# Altium PCB Phaser.PcbDoc (part 1 of 4)
Units mm, origin at the board's own origin, x right, y up, seen from the top; angles counter-clockwise.
Board outline 161.99 x 100 mm, 6 copper layers (L1, L2, L3, L4, P5, L6), stack 1.648 mm thick; 797 components, 586 nets, 3005 pads, 2 vias.
Unrouted connection lines stored in the file: 1433.
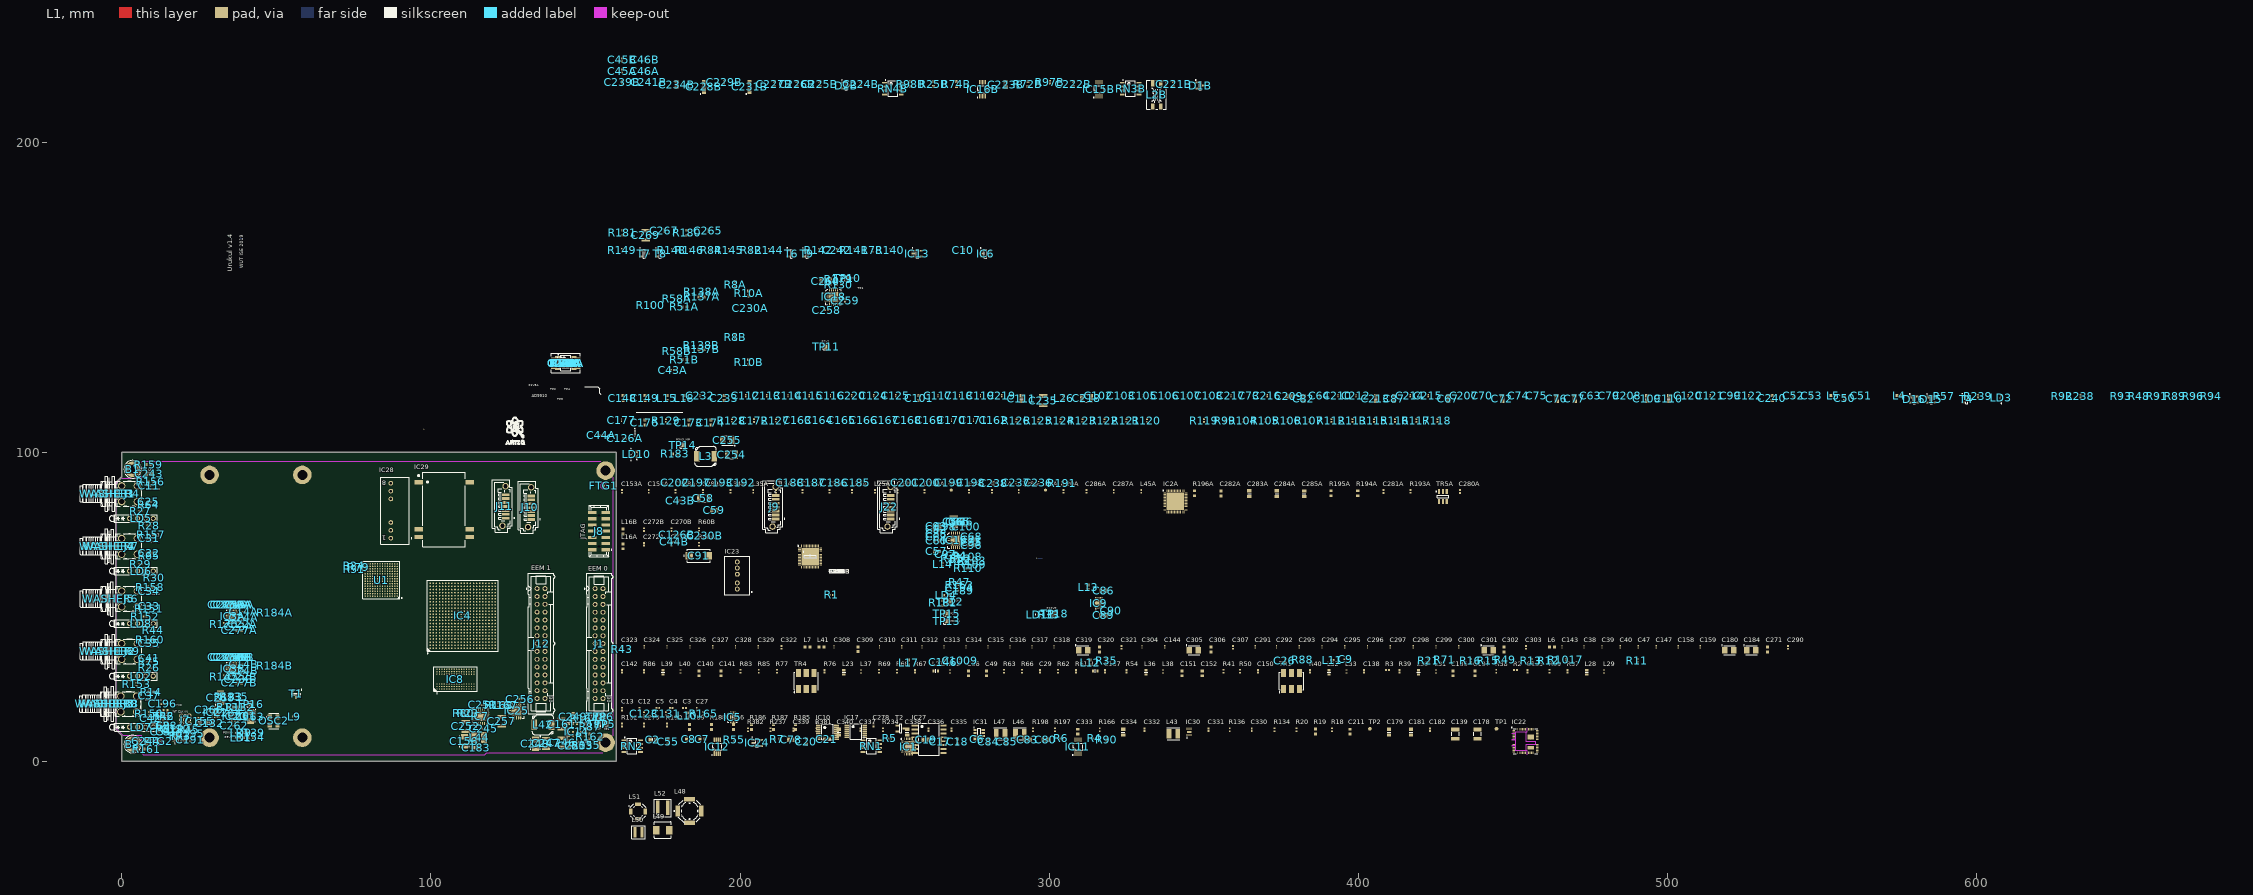
[diagram p0: L1 view]
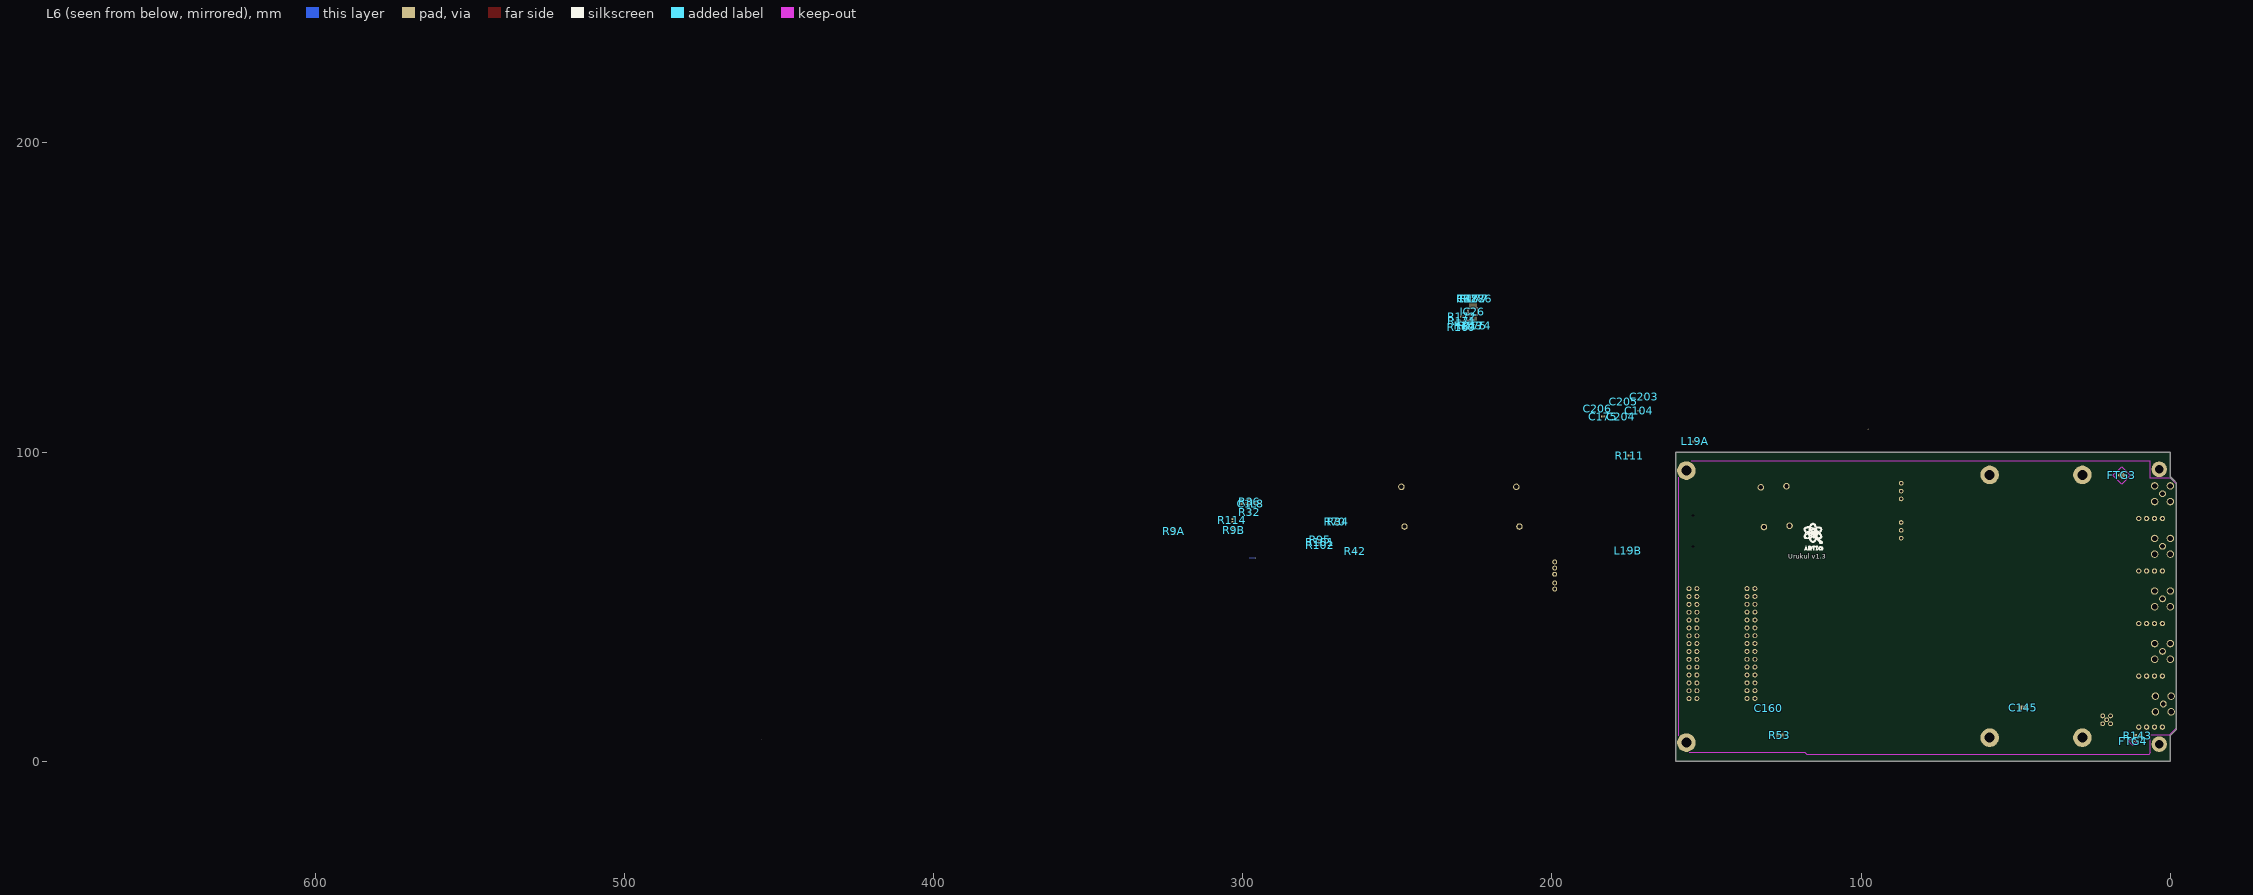
[diagram p1: L6 view, seen from below]
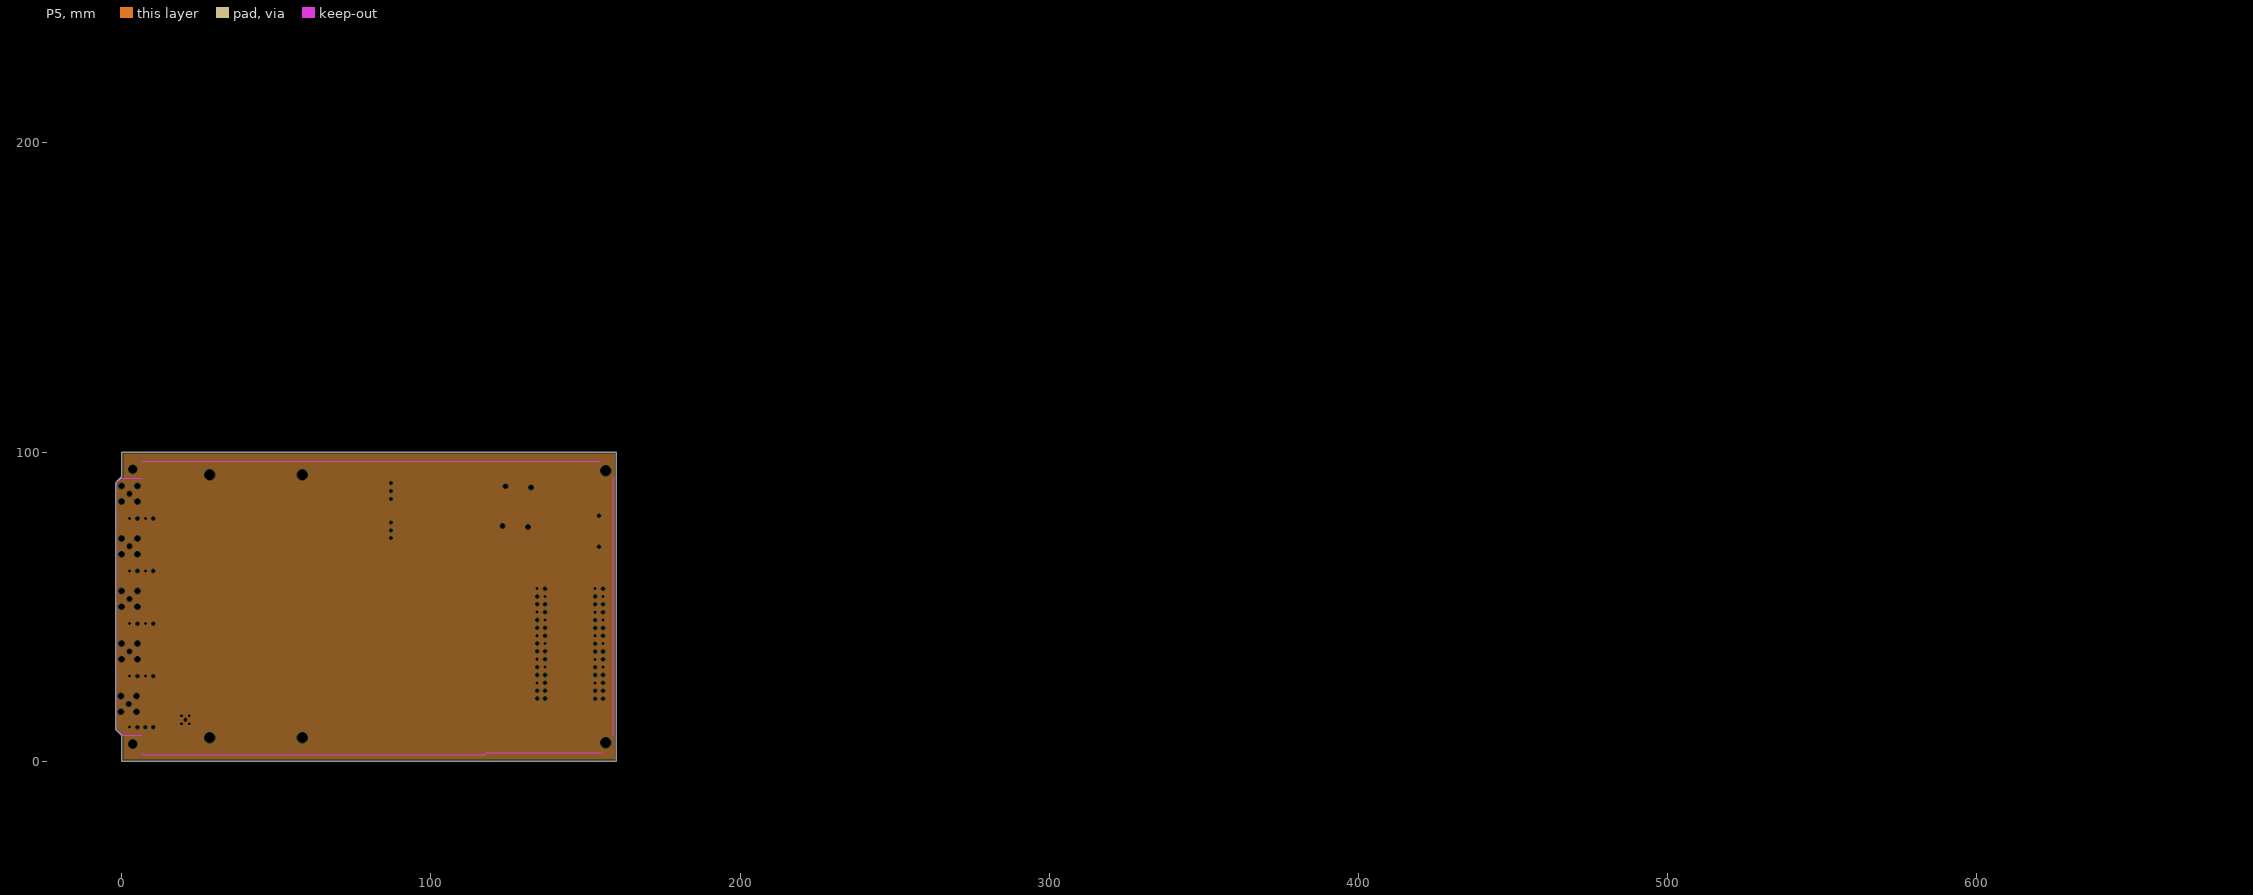
[diagram p2: P5, clearances drawn from the general rule]

## Layer stack, top to bottom
Top Solder: solder mask 0.034, Solder Resist, Dk 3.5
L1: signal copper 0.058
Dielectric1: core 0.18, FR4, Dk 3.66
L2: signal copper 0.018
Dielectric 9: prepreg 0.46, FR4, Dk 4.2
L3: signal copper 0.018
Dielectric 8: prepreg 0.18, Dk 4.2
L4: signal copper 0.018
Dielectric4: core 0.46, FR4, Dk 4.2
P5: plane copper 0.018, net GND
Dielectric3: core 0.18, FR4, Dk 4.2
L6: signal copper 0.058
Bottom Solder: solder mask 0.034, Solder Resist, Dk 3.5

## Board outline
-2,10.32 -2,83.025 -2,90 -1,91 0,92 0,100 159.995,100 159.995,0 0,0 0,8.32

## Design rules (kind name [scope] priority, off if disabled: settings)
AcuteAngle AcuteAngle_GND [InNet('GND')] p1: minimum=5.00000000000000E+0001 checktracksonly=FALSE
AcuteAngle [All] p2: minimum=5.00000000000000E+0001 checktracksonly=FALSE
Clearance Clearance_1 [InPolygon vs (InDifferentialPairClass('All Differential Pairs'))] p1: gap=0.254 ignorepadtopadclearanceinfootprint=FALSE except(0: Arc-Hole Track-Hole SMDPad-Hole THPad-Hole Via-Hole Fill-Hole Poly-Hole Region-Hole Text-Hole; 0.508: Track-Poly)
Clearance Clearance_KeepOut [OnLayer('Keep-Out Layer') vs NOT (InComponent('J8') OR InComponent('J11'))] p2: gap=0.1 ignorepadtopadclearanceinfootprint=FALSE except(0: Arc-Hole Track-Hole SMDPad-Hole THPad-Hole Via-Hole Fill-Hole Poly-Hole Region-Hole Text-Hole)
Clearance Clearance_50_Ohms_GND_VIA [InNetClass('50_Ohms') vs (IsVia AND InNet('GND')) and not(IsPad)] p3: gap=0.2 ignorepadtopadclearanceinfootprint=FALSE except(0: Arc-Hole Track-Hole SMDPad-Hole THPad-Hole Via-Hole Fill-Hole Poly-Hole Region-Hole Text-Hole)
Clearance Clearance_50_Ohms_GND_Plane [InNetClass('50_Ohms') vs InPolygon] p4: gap=0.5 ignorepadtopadclearanceinfootprint=FALSE except(0: Arc-Hole Track-Hole SMDPad-Hole THPad-Hole Via-Hole Fill-Hole Poly-Hole Region-Hole Text-Hole)
Clearance Clearance_50_Ohms_GND_PADS [InNetClass('50_Ohms') vs InNet('GND')] p5: gap=0.2 ignorepadtopadclearanceinfootprint=FALSE except(0: Arc-Hole Track-Hole SMDPad-Hole THPad-Hole Via-Hole Fill-Hole Poly-Hole Region-Hole Text-Hole)
Clearance Clearance_50_Ohms [InNetClass('50_Ohms')] p6: gap=0.2 ignorepadtopadclearanceinfootprint=FALSE except(0: Arc-Hole Track-Hole SMDPad-Hole THPad-Hole Via-Hole Fill-Hole Poly-Hole Region-Hole Text-Hole)
Clearance Clearance_DiffPair_1 [(InDifferentialPairClass('All Differential Pairs')) vs (InDifferentialPairClass('All Differential Pairs'))] p7 off: gap=0.3 ignorepadtopadclearanceinfootprint=FALSE except(0: Arc-Hole Track-Hole SMDPad-Hole THPad-Hole Via-Hole Fill-Hole Poly-Hole Region-Hole Text-Hole)
Clearance [Not (OnLayer('Keep-Out Layer'))] p8: gap=0.127 ignorepadtopadclearanceinfootprint=FALSE except(0: Arc-Hole Track-Hole SMDPad-Hole THPad-Hole Via-Hole Fill-Hole Poly-Hole Region-Hole Text-Hole; 0.203: Arc-Poly Track-Poly SMDPad-Poly THPad-Poly Via-Poly Fill-Poly Poly-Poly)
Clearance Clearance_abs [All] p9: gap=0.1 ignorepadtopadclearanceinfootprint=FALSE except(0: Arc-Hole Track-Hole SMDPad-Hole THPad-Hole Via-Hole Fill-Hole Poly-Hole Region-Hole Text-Hole)
ComponentClearance Clearance_ERNI [(HasFootprint('ERMET ZD 3-10 CONNECTOR')) vs (HasFootprint('ERMET ZD 3-10 CONNECTOR'))] p1: gap=0 collisioncheckmode=3 verticalgap=0.254 showdistances=FALSE
ComponentClearance Clearance_Radiall_Placement [HasFootprint('Coaxipack2') vs HasFootprint('Coaxipack2')] p2: gap=0 collisioncheckmode=3 verticalgap=0.254 showdistances=FALSE
ComponentClearance [All] p3: gap=0.254 collisioncheckmode=3 verticalgap=0.254 showdistances=FALSE
DiffPairsRouting CLK_DiffPairsRouting [(InDifferentialPairClass('All Differential Pairs'))] p1: maxlimit=0.2 minlimit=0.127 mostfreqgap=0.127 toplayer_maxgap=0.178 toplayer_prefgap=0.152 toplayer_minwidth=0.152 toplayer_maxwidth=0.152 toplayer_prefwidth=0.152 midlayer1_mingap=0.2 midlayer1_prefgap=0.2 midlayer1_minwidth=0.17 midlayer1_maxwidth=0.17 midlayer1_prefwidth=0.17 midlayer2_maxgap=0.152 midlayer2_minwidth=0.178 midlayer2_maxwidth=0.178 midlayer2_prefwidth=0.178 midlayer3_maxgap=0.152 midlayer3_minwidth=0.178 midlayer3_maxwidth=0.178 midlayer3_prefwidth=0.178 bottomlayer_maxgap=0.178 bottomlayer_prefgap=0.152 bottomlayer_minwidth=0.152 bottomlayer_maxwidth=0.152 bottomlayer_prefwidth=0.152 maxuncoupledlength=10
FabricationTestPointUsage TestPointUsage [All] p1: valid=0 allowmultiple=FALSE
FabricationTestpoint Testpoint [(IsPad And (OnTopLayer Or OnBottomLayer))] p1: side=3 testpointundercomponent=TRUE minsize=1.016 maxsize=2.54 preferedsize=1.524 minholesize=0 maxholesize=1.016 preferedholesize=0.813 testpointgrid=0.025 allowsidetop=TRUE allowsidebottom=TRUE usegrid=TRUE gridtolerance=0
Height BottomHeight [All] p1: minheight=0 maxheight=20 prefheight=10
Height TopHeight [OnLayer('Top Layer (LO)')] p2: minheight=0 maxheight=2.5 prefheight=1
HoleSize [All] p1: absolutevalues=TRUE maxlimit=5 minlimit=0.2 maxpercent=80.000 minpercent=20.000
HoleToHoleClearance [All] p1: gap=0.2 allowstackedmicrovias=TRUE
Length [All] p1 off: maxlimit=2540 minlimit=0
MatchedLengths MatchLengths_IC10_Passives_IC13A,IC13B,IC13C,IC13D,IC2A,IC2B,IC2C,IC2D_1 [InxSignalClass('xSignals_IC10_Passives_IC13A,IC13B,IC13C,IC13D,IC2A,IC2B,IC2C,IC2D_MatchLengthsClass')] p1: tolerance=2.54 checknetsindiffpair=FALSE checkdiffpairvsdiffpair=TRUE checkxsignals=TRUE checkothers=TRUE
MatchedLengths MatchLengths_xSignals_IC10_Passives_1 [InxSignalClass('xSignals_IC10_Passives_MatchLengthsClass_1')] p2: tolerance=2.54 checknetsindiffpair=FALSE checkdiffpairvsdiffpair=TRUE checkxsignals=TRUE checkothers=TRUE
MatchedLengths MatchLengths_xSignals_IC10_IC13A,IC13B,IC13C,IC13D,IC2A,IC2B,IC2C,IC2D_1 [InxSignalClass('xSignals_IC10_IC13A,IC13B,IC13C,IC13D,IC2A,IC2B,IC2C,IC2D_MatchLengthsClass')] p3: tolerance=2.54 checknetsindiffpair=FALSE checkdiffpairvsdiffpair=TRUE checkxsignals=TRUE checkothers=TRUE
MatchedLengths MatchLengths_IC10_Passives_IC13A,IC13B,IC13C,IC13D,IC2A,IC2B,IC2C,IC2D [InxSignalClass('xSignals_IC10_Passives_IC13A,IC13B,IC13C,IC13D,IC2A,IC2B,IC2C,IC2D_MatchLengthsClass')] p4: tolerance=2.54 checknetsindiffpair=FALSE checkdiffpairvsdiffpair=TRUE checkxsignals=TRUE checkothers=TRUE
MatchedLengths MatchLengths_xSignals_IC10_Passives [InxSignalClass('xSignals_IC10_Passives_MatchLengthsClass')] p5: tolerance=2.54 checknetsindiffpair=FALSE checkdiffpairvsdiffpair=TRUE checkxsignals=TRUE checkothers=TRUE
MatchedLengths MatchLengths_xSignals_IC10_IC13A,IC13B,IC13C,IC13D,IC2A,IC2B,IC2C,IC2D [InxSignalClass('xSignals_IC10_IC13A,IC13B,IC13C,IC13D,IC2A,IC2B,IC2C,IC2D_MatchLengthsClass')] p6: tolerance=2.54 checknetsindiffpair=FALSE checkdiffpairvsdiffpair=TRUE checkxsignals=TRUE checkothers=TRUE
MatchedLengths MatchLengths_xSignals_IC10_IC23A,IC23B,IC23C,IC23D [InxSignalClass('xSignals_IC10_IC23A,IC23B,IC23C,IC23D_MatchLengthsClass')] p7: tolerance=2.54 checknetsindiffpair=FALSE checkdiffpairvsdiffpair=TRUE checkxsignals=TRUE checkothers=TRUE
MatchedLengths Update [InxSignalClass('UPDATE')] p8: tolerance=5 checknetsindiffpair=FALSE checkdiffpairvsdiffpair=TRUE checkxsignals=TRUE checkothers=TRUE
MatchedLengths RFSW [InxSignalClass('RFSW')] p9: tolerance=5 checknetsindiffpair=FALSE checkdiffpairvsdiffpair=TRUE checkxsignals=TRUE checkothers=TRUE
MatchedLengths "IO 11 15" [InxSignalClass('IO11_15')] p10: tolerance=5 checknetsindiffpair=FALSE checkdiffpairvsdiffpair=TRUE checkxsignals=TRUE checkothers=TRUE
MatchedLengths "DDS SYNC" [InxSignalClass('DDSx_SYNC')] p11: tolerance=5 checknetsindiffpair=FALSE checkdiffpairvsdiffpair=TRUE checkxsignals=TRUE checkothers=TRUE
MatchedLengths "DDS RESET" [InxSignalClass('DDS_RESET')] p12: tolerance=5 checknetsindiffpair=FALSE checkdiffpairvsdiffpair=TRUE checkxsignals=TRUE checkothers=TRUE
MatchedLengths "CLK IC13" [InxSignalClass('CLK IC13')] p13: tolerance=5 checknetsindiffpair=FALSE checkdiffpairvsdiffpair=TRUE checkxsignals=TRUE checkothers=TRUE
MinimumAnnularRing MinimumAnnularRing_Blind [(InNetClass('50_Ohms') OR InDifferentialPairClass('All Differential Pairs'))] p1: minimumring=0.1
MinimumAnnularRing [All] p2: minimumring=0.1
MinimumSolderMaskSliver [All] p1: minsoldermaskwidth=0.05
PlaneClearance [All] p1: clearance=0.25
PlaneConnect PlaneConnect_pad [InPadClass('All Pads')] p1: planeconnectstyle=Relief reliefexpansion=0.508 reliefentries=4 reliefconductorwidth=0.254 reliefairgap=0.254
PlaneConnect [All] p2: planeconnectstyle=Direct reliefexpansion=0.508 reliefentries=4 reliefconductorwidth=0.254 reliefairgap=0.254
PolygonConnect PolygonConnect_pad [IsPad] p1: connectstyle=Relief reliefconductorwidth=0.15 reliefentries=4 polygonreliefangle="90 Angle" airgapwidth=0.152
PolygonConnect [All] p2: connectstyle=Direct reliefconductorwidth=0.254 reliefentries=4 polygonreliefangle="90 Angle" airgapwidth=0.254
RoomDefinition U_PWR_Supply-5 [InComponentClass('U_PWR_Supply-5')] p1: confinementstyle=ConfineIn formatcopy=TRUE lockcomponents=FALSE outline 161.135,1.43 458.625,1.43 458.625,13.805 161.135,13.805
RoomDefinition U_Upconversion2 [InComponentClass('U_Upconversion2')] p2: confinementstyle=ConfineIn formatcopy=TRUE lockcomponents=FALSE outline 1215.787,1168.012 1233.638,1168.012 1233.638,1178.187 1215.787,1178.187
RoomDefinition U_Upconversion1 [InComponentClass('U_Upconversion1')] p3: confinementstyle=ConfineIn formatcopy=TRUE lockcomponents=FALSE outline 161.135,79.759 439.999,79.759 439.999,90.909 161.135,90.909
RoomDefinition U_DAC_SUPPLY [InComponentClass('U_DAC_SUPPLY')] p4: confinementstyle=ConfineIn formatcopy=TRUE lockcomponents=FALSE outline 161.135,33.956 544.604,33.956 544.604,40.407 161.135,40.407
RoomDefinition U_CFG_FLASH_Update [InComponentClass('U_CFG_FLASH_Update')] p5: confinementstyle=ConfineIn formatcopy=TRUE lockcomponents=FALSE outline 161.135,1.43 267.215,1.43 267.215,15.305 161.135,15.305
RoomDefinition Attenuator1 [InComponentClass('Attenuator1')] p6: confinementstyle=ConfineIn formatcopy=TRUE lockcomponents=FALSE outline 161.135,72.508 192.412,72.508 192.412,78.509 161.135,78.509
RoomDefinition Attenuator0 [InComponentClass('Attenuator0')] p7: confinementstyle=ConfineIn formatcopy=TRUE lockcomponents=FALSE outline 161.135,67.783 192.412,67.783 192.412,73.783 161.135,73.783
RoomDefinition U_PWR_Supply [InComponentClass('U_PWR_Supply')] p8: confinementstyle=ConfineIn formatcopy=TRUE lockcomponents=FALSE outline 161.135,1.305 645.034,1.305 645.034,175.163 161.135,175.163
RoomDefinition U_LVDS_IFC [InComponentClass('U_LVDS_IFC')] p9: confinementstyle=ConfineIn formatcopy=TRUE lockcomponents=FALSE outline 161.135,94.834 348.444,94.834 348.444,168.838 161.135,168.838
RoomDefinition U_Input_channel2 [InComponentClass('U_Input_channel2')] p10: confinementstyle=ConfineIn formatcopy=TRUE lockcomponents=FALSE outline 161.135,202.34 718.412,202.34 718.412,223.241 161.135,223.241
RoomDefinition U_FPGA_SUP_CFG [InComponentClass('U_FPGA_SUP_CFG')] p11: confinementstyle=ConfineIn formatcopy=TRUE lockcomponents=FALSE outline 161.135,4.58 680.086,4.58 680.086,121.686 161.135,121.686
RoomDefinition U_FPGA_SDRAM [InComponentClass('U_FPGA_SDRAM')] p12: confinementstyle=ConfineIn formatcopy=TRUE lockcomponents=FALSE outline 161.135,94.834 430.748,94.834 430.748,175.163 161.135,175.163
RoomDefinition U_FPGA_GTP [InComponentClass('U_FPGA_GTP')] p13: confinementstyle=ConfineIn formatcopy=TRUE lockcomponents=FALSE outline 161.135,73.633 309.068,73.633 309.068,93.559 161.135,93.559
RoomDefinition U_FPGA_ADC [InComponentClass('U_FPGA_ADC')] p14: confinementstyle=ConfineIn formatcopy=TRUE lockcomponents=FALSE outline 161.135,35.081 166.011,35.081 166.011,39.757 161.135,39.757
RoomDefinition U_DAC [InComponentClass('U_DAC')] p15: confinementstyle=ConfineIn formatcopy=TRUE lockcomponents=FALSE outline 161.135,20.306 493.627,20.306 493.627,36.181 161.135,36.181
RoomDefinition U_ADC_2CH [InComponentClass('U_ADC_2CH')] p16: confinementstyle=ConfineIn formatcopy=TRUE lockcomponents=FALSE outline 161.135,1.305 631.808,1.305 631.808,121.686 161.135,121.686
RoomDefinition Phaser [InComponentClass('Phaser')] p17: confinementstyle=ConfineIn formatcopy=TRUE lockcomponents=FALSE outline 161.135,6.705 518.903,6.705 518.903,168.838 161.135,168.838
RoomDefinition U_Input_channel1 [InComponentClass('U_Input_channel1')] p18: confinementstyle=ConfineIn formatcopy=TRUE lockcomponents=FALSE outline 5.1,37.9 62.1,37.9 62.1,23.9 5.1,23.9
RoomDefinition U_CLK_INPUT [InComponentClass('U_CLK_INPUT')] p19: confinementstyle=ConfineIn formatcopy=TRUE lockcomponents=FALSE outline -1.9,0.4 61.35,0.4 61.35,22.65 -1.9,22.65
RoutingVias [All] p1: holewidth=0.2 width=0.5 viastyle="Through Hole" minholewidth=0.2 minwidth=0.5 maxholewidth=0.6 maxwidth=1
SMDNeckDown [All] p1: percent=100.000
SMDToCorner [All] p1: distance=78740
SMDToPlane [All] p1: distance=0
SilkToSilkClearance [All] p1: silktosilkclearance=0
SilkToSolderMaskClearance SilkscreenOverComponentPads [IsPad] p1: minsilkscreentomaskgap=0 clearancetoexposedcopper=TRUE
SolderMaskExpansion SolderMaskExpansion_GND_VIA [IsVia AND InNet('GND')] p1: expansion=-0.1
SolderMaskExpansion [All] p2: expansion=0.05
Width CLK_DiffPairs_Width [(InDifferentialPairClass('All Differential Pairs'))] p1: maxlimit=0.17 minlimit=0.152 preferedwidth=0.17 toplayer_maxwidth=0.152 toplayer_prefwidth=0.152 midlayer1_minwidth=0.17 midlayer2_minwidth=0.17 midlayer3_minwidth=0.17 bottomlayer_maxwidth=0.152 bottomlayer_prefwidth=0.152 minimp=50.000000 maximp=50.000000 favimp=50.000000 checkconnectedcopper=TRUE
Width Width-SE [All] p2: maxlimit=0.5 minlimit=0.127 preferedwidth=0.152 minimp=49.000000 maximp=51.000000 favimp=50.000000
18 further rules are at their usual default settings.

## Classes and differential pairs
component class U_PWR_Supply-5: C139 C178 C179 C181 C182 C211 C330 C331 C332 C333 C334 C335 C336 C337 C338 C339 C340 IC22 IC30 IC31 L43 L46 L47 L48 L49 L50 L51 L52 R18 R19 R20 R134 R136 R166 R197 R198 R234 R237 R381 R382 TP1 TP2
channel class Upconversion: U_Upconversion1 U_Upconversion2
channel class Attenuator: Attenuator0 Attenuator1
component class U_Upconversion2: B3B B4B C30B C43B C44B C45B C46B C126B C127B C128B C129B C130B C133B C134B C153B C154B C280B C281B C282B C283B C284B C285B C286B C287B C288B C289B IC2B L19B L20B L24B L25B L27B L34B L35B L45B R193B R194B R195B R196B TR5B
component class U_Upconversion1: B3A B4A C30A C43A C44A C45A C46A C126A C127A C128A C129A C130A C133A C134A C153A C154A C280A C281A C282A C283A C284A C285A C286A C287A C288A C289A IC2A L19A L20A L24A L25A L27A L34A L35A L45A R193A R194A R195A R196A TR5A
component class U_DAC_SUPPLY: C38 C39 C40 C47 C143 C144 C147 C158 C159 C180 C184 C271 C290 C291 C292 C293 C294 C295 C296 C297 C298 C299 C300 C301 C302 C303 C304 C305 C306 C307 C308 C309 C310 C311 C312 C313 C314 C315 C316 C317 C318 C319 C320 C321 C322 C323 C324 C325 C326 C327 C328 C329 C1009 L6 L7 L11 L12 L14 L17 L41
component class U_CFG_FLASH_Update: C278 C279 IC10 IC17 IC27 R56 R94 R95 R96 R185 R186 R187 R188 R189 R190 R192 T1 T2
channel class Input_channel: U_Input_channel1 U_Input_channel2
net class ATT_S_OUT[1..0]: ATT_S_OUT0 ATT_S_OUT1
net class ATT_S_IN[1..0]: ATT_S_IN0 ATT_S_IN1
net class ATT_LE[1..0]: ATT_LE0 ATT_LE1
component class U_LVDS_IFC: C10 C242 IC4 IC6 IC13 J1 J12 R70 R78 R82 R84 R140 R141 R142 R144 R145 R146 R148 R149 T6 T7 T8 T9
component class U_Input_channel1: C221A C222A C223A C224A C225A C226A C227A C228A C229A C230A C231A C234A C239A C241A D1A D2A IC15A IC16A L2A R8A R9A R10A R25A R51A R58A R72A R74A R97A R98A R137A R138A RN3A RN4A
component class U_FPGA_SUP_CFG: C50 C51 C56 C57 C58 C59 C60 C61 C62 C63 C64 C65 C66 C67 C68 C70 C71 C72 C73 C74 C75 C76 C77 C79 C82 C87 C90 C91 C92 C93 C94 C95 C96 C97 C98 C99 C100 C101 C102 C103 C104 C105 C106 C107 C108 C109 C110 C111 C112 C113 C114 C115 C116 C117 C118 C119 C120 C121 C122 C124 C125 C148 C149 C207 C208 C209 C210 C212 C213 C214 C215 C216 C217 C218 C219 C220 C232 C233 C235 C240 D15 D16 HS1 J8 L4 L5 L13 L15 L18 L26 LD3 R48 R57 R89 R91 R92 R93 R238 R239 T4
component class U_FPGA_SDRAM: C162 C163 C164 C165 C166 C167 C168 C169 C170 C171 C172 C173 C174 C175 C176 C177 IC8 IC9 R99 R100 R101 R102 R103 R104 R105 R106 R107 R108 R109 R110 R111 R112 R113 R114 R115 R116 R117 R118 R119 R120 R121 R122 R123 R124 R125 R126 R127 R128 R129
component class U_FPGA_ADC: R42 R43
component class U_DAC: C25 C29 C32 C36 C49 C52 C53 C135 C136 C137 C138 C140 C141 C142 C145 C146 C150 C151 C152 C157 L1 L9 L21 L22 L23 L28 L29 L30 L31 L32 L33 L36 L37 L38 L39 L40 R2 R3 R11 R12 R13 R15 R16 R17 R21 R24 R31 R32 R34 R35 R36 R37 R38 R39 R40 R41 R49 R50 R54 R59 R61 R62 R63 R66 R67 R68 R69 R71 R76 R77 R79 R83 R85 R86 R88 R1017 TR1 TR4 U1
component class U_ADC_2CH: C1 C2 C6 C7 C8 C17 C18 C19 C20 C21 C42 C55 C78 C80 C83 C84 C85 C86 C88 C89 IC1 IC11 IC12 IC24 L8 R1 R4 R5 R6 R7 R55 R90 RN1 RN2
component class U_FPGA_GTP: C185 C186 C187 C188 C192 C193 C197 C198 C199 C200 C201 C202 C203 C204 C205 C206 C236 C237 C238 J9 J10 J11 J22 OSC2 R191
component class U_CLK_INPUT: C3 C4 C5 C9 C12 C13 C26 C27 C28 C54 C69 C81 C123 C131 C189 C190 C191 C194 C195 C196 IC5 L10 R22 R45 R46 R47 R52 R73 R81 R163 R165 TR2 TR3
component class Phaser: B1 B2 C11 C31 C33 C34 C35 C37 C41 C243 C244 FTG1 FTG2 FTG3 FTG4 J2 J3 J4 J5 J6 J7 LD2 LD5 LD6 LD8 R14 R26 R27 R28 R29 R30 R44 R64 R65 R75 R147 R150 R151 R152 R153 R156 R157 R158 R159 R160 R161 R170 WASHER1 WASHER2 WASHER3 WASHER4 WASHER5 WASHER6 WASHER7 WASHER8 WASHER9 WASHER10
component class Attenuator0: C14A C15A C16A C22A C23A C24A C270A C272A C273A C274A C275A C276A C277A IC3A L16A R60A R184A
component class U_Input_channel2: C221B C222B C223B C224B C225B C226B C227B C228B C229B C230B C231B C234B C239B C241B D1B D2B IC15B IC16B L2B R8B R9B R10B R25B R51B R58B R72B R74B R97B R98B R137B R138B RN3B RN4B
component class Attenuator1: C14B C15B C16B C22B C23B C24B C270B C272B C273B C274B C275B C276B C277B IC3B L16B R60B R184B
component class U_PWR_Supply: C48 C132 C155 C156 C160 C161 C183 C245 C246 C247 C248 C249 C250 C251 C252 C253 C254 C255 C256 C257 C258 C259 C260 C261 C262 C263 C264 C265 C266 C267 C268 C269 IC7 IC14 IC18 IC19 IC20 IC21 IC23 IC25 IC26 IC28 IC29 L3 L42 L44 LD1 LD4 LD7 LD9 LD10 LD11 R23 R33 R53 R80 R87 R130 R131 R132 R133 R135 R139 R143 R154 R155 R162 R164 R167 R168 R169 R171 R172 R173 R174 R175 R176 R177 R178 R179 R180 R181 R182 R183 TP5 TP6 TP7 TP8 TP10 TP11 TP12 TP13 TP14 TP15 TP16 TP18